# Allegro board HY_MWYT_3S12_V10A.brd (continued)
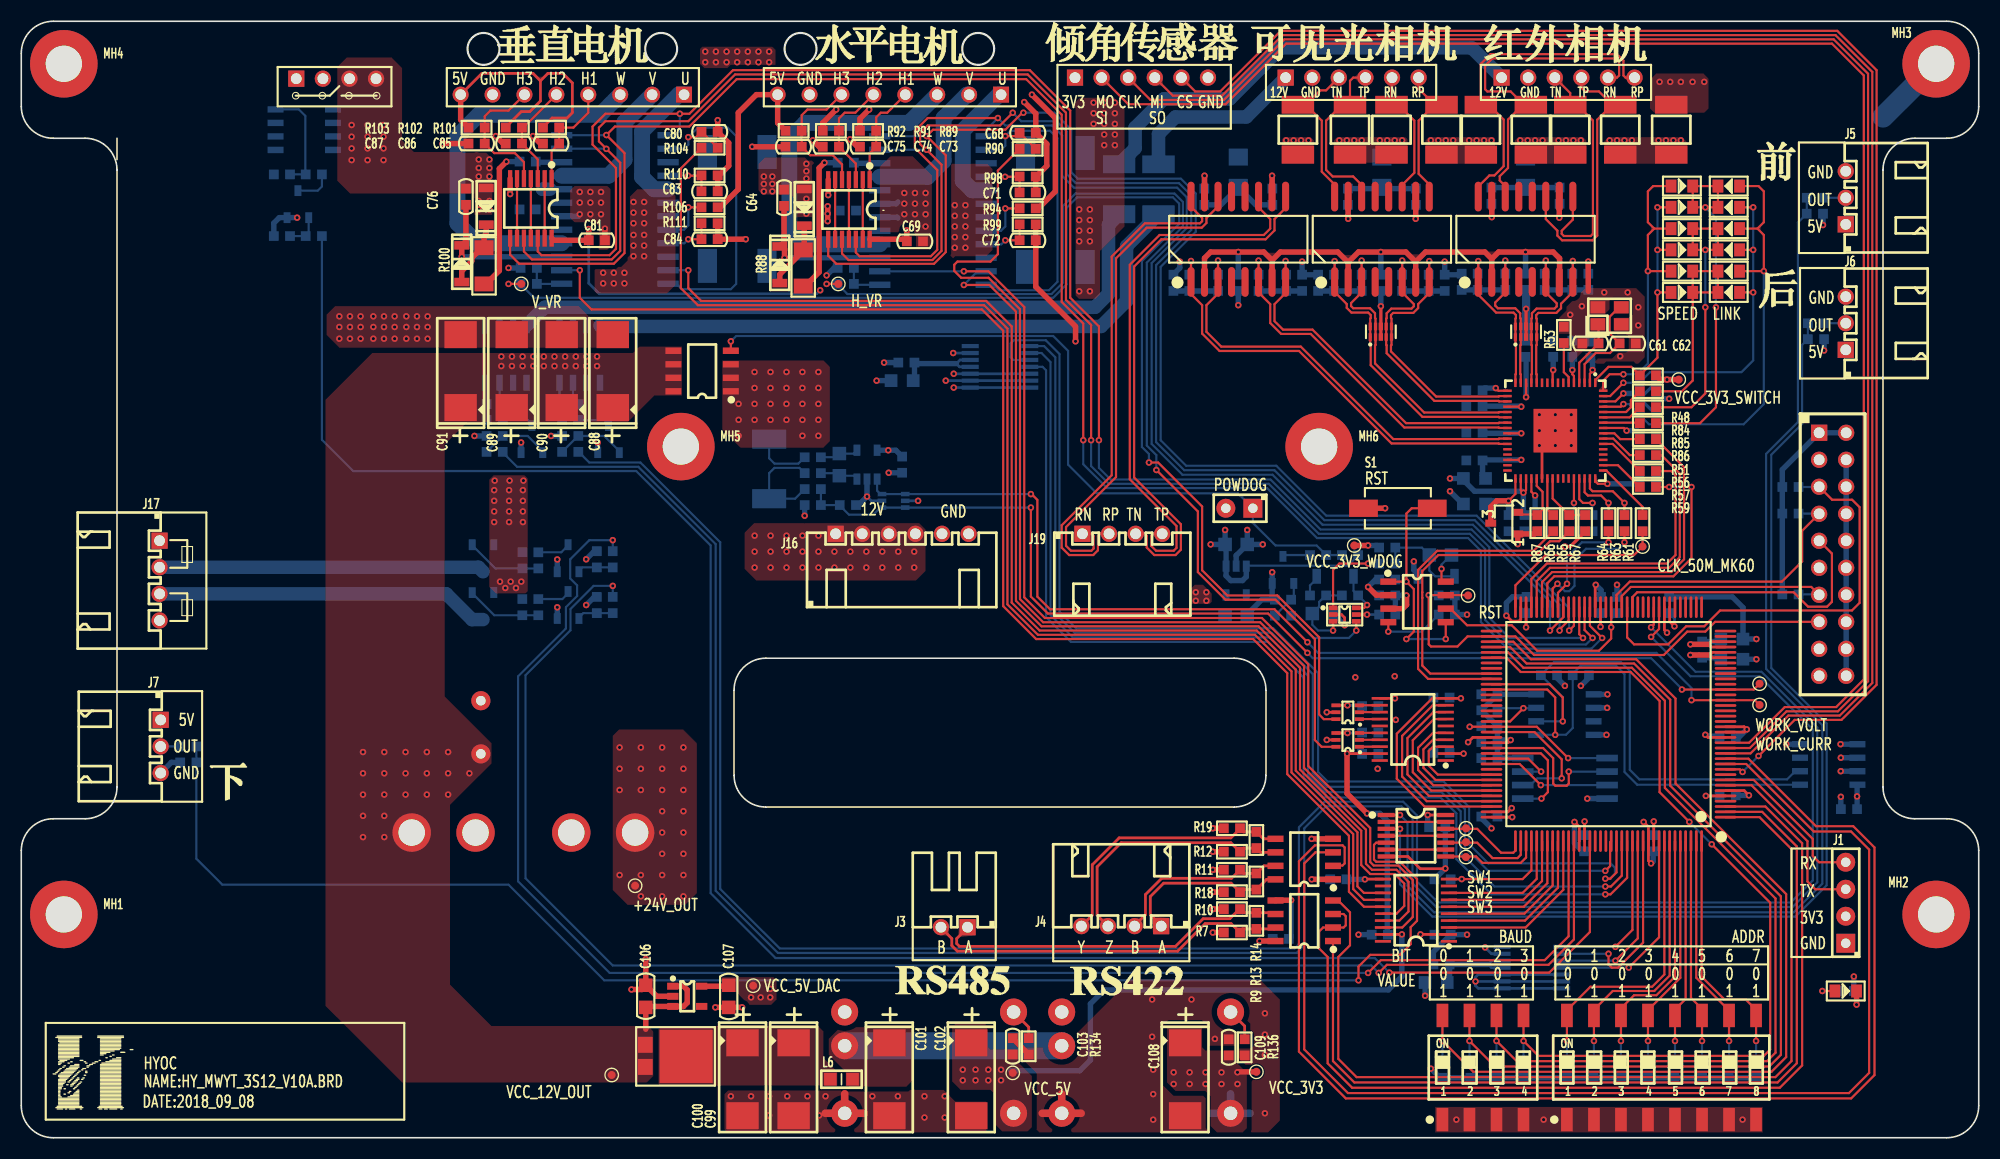
[diagram p0: board, top side]
## Copper pours and planes (outline as drawn; the poured copper is in the pictures) (continued)
VCC_24V_MOTOR on BOTTOM: 75.8,90.8 77.8,90.8 79.1,89.5 81.7,89.5 81.7,88.4 79.4,88.4 79.1,88.1 77.8,88.1 77.4,87.7 77.4,86.6 77.7,86.3 79,86.3 79.3,86 81.7,86 81.7,85 74.3,85 73.2,86.1 73.2,91.5 73.7,92 74.6,92
VCC_24V_MOTOR on BOTTOM: 28.4,97 28.4,92 28.9,91.5 35.5,91.5 35.8,91.8 35.8,100.6 34.9,101.5 30.3,101.5 29.6,100.8 29.6,98.2
VCC_24V_MOTOR on BOTTOM: 44.8,92 44.8,91.5 45.6,90.7 48.2,90.7 49.3,89.6 49.3,88.3 47.8,88.3 47.3,87.8 47.3,86.8 47.7,86.4 49.5,86.4 49.7,86.2 51.8,86.2 51.9,86.1 51.9,85.1 49.7,85.1 49.5,85.3 43.6,85.3 42.2,86.7 42.2,92 42.7,92.5 44.3,92.5
VCC_24V_MOTOR on L03-VCC: 30.7,95.7 36,95.7 38.3,93.4 74.9,93.4 76.7,91.6 76.7,82.7 72.8,78.8 32.3,78.8 30.1,81 30.1,95.1
E6071_AVDD_1.8V on L03-VCC: 139.9,63.3 139.9,71.9 140.9,72.9 146.4,72.9 146.7,72.6 146.7,71.7 146.3,71.3 142.5,71.3 142,70.8 142,63.4 141.4,62.8 140.4,62.8
E6071_CT_1.8V on L03-VCC: 114,83.9 142.2,83.9 142.7,83.4 142.7,76.1 141.8,75.2 139.5,75.2 137.5,73.2 137.5,61.9 137.1,61.5 134,61.5 133.5,62 133.5,72.9 140.3,79.7 140.3,82.5 140,82.8 114.1,82.8 113.8,83.1 113.8,83.7
E6071_VDD_CORE_1.2V on L03-VCC: 138.3,69.8 139.1,69.8 139.4,70.1 139.4,72.2 140.5,73.3 146.8,73.3 147.2,72.9 147.2,63.9 146.2,62.9 143.6,62.9 141.8,61.1 141.8,59.8 142,59.6 142.7,59.6 144.7,61.6 146.8,61.6 148.5,63.3 148.5,65.1 149.2,65.8 151.3,65.8 151.7,66.2 151.7,67.1 151.4,67.4 149.3,67.4 148.5,68.2 148.5,73.7 147.5,74.7 139.8,74.7 138,72.9 138,70.1
N11711860 on TOP: 77.5,4.8 83.2,4.8 83.8,5.4 83.8,10 83.4,10.4 77,10.4 75.9,9.3 75.9,7.8 77.5,6.2
N11711868 on TOP: 74.9,10.5 75.4,10 75.4,7.5 76.7,6.2 76.7,4.9 60.1,4.9 59.9,5.1 59.9,10.2 60.2,10.5
N17116110 on BOTTOM: 89.7,83.5 92.7,83.5 93.4,84.2 93.4,90.5 93,90.9 89.7,90.9 89.7,92.4 92.2,92.4 93.4,93.6 93.4,94.2 93.5,94.3 96.3,94.3 96.8,93.8 96.8,80.7 96.3,80.2 93.4,80.2 93.4,81.2 92.6,82 89.7,82
N17123303 on BOTTOM: 59.8,83.6 62.8,83.6 63.5,84.3 63.5,90.6 63.1,91 59.8,91 59.8,92.5 62.3,92.5 63.5,93.7 63.5,94.3 63.6,94.4 66.4,94.4 66.7,94.1 66.7,80.6 66.4,80.3 63.5,80.3 63.5,81.3 62.7,82.1 59.8,82.1
N17193783 on BOTTOM: 50.2,77.2 50.2,75.6 54.8,75.6 54.8,77.2
N17193809 on BOTTOM: 43.3,77.2 43.3,75.6 47.9,75.6 47.9,77.2

Small or netless copper shapes (teardrops, artwork), in the pictures only: 264 on TOP, 204 on BOTTOM

## Text on the board
User.Comments: CR_JY02A_1 | CR_L6235D_4
Ref Des/Silkscreen Top: 12V | GND | TN | TP | RN | RP | DATE:2018_09_08 | HYOC | NAME:HY_MWYT_3S12_V10A.BRD | OUT | 5V | VCC_12V_OUT | H3 | V_VR | H2 | H1 | W | +24V_OUT | V | U | VCC_5V_DAC | H_VR | B | A | VCC_5V | 3V3 | Y | MO | SI | Z | CLK | SO | MI | CS | POWDOG | VCC_3V3 | VCC_3V3_WDOG | RST | VALUE | BIT | 0 | 1 | SW1 | SW2 | SW3 | 2 | BAUD | 3 | SPEED | CLK_50M_MK60 | 4 | VCC_3V3_SWITCH | 5 | LINK | 6 | ADDR | 7 | WORK_VOLT | WORK_CURR | RX | TX
TOLERANCE_TOP: FIGURE | FINISHED_SIZE | 0.3048 | 0.889 | 0.9 | 1.0 | 1.016 | 1.27 | 2.4892 | 3.4036 | DRILL CHART: TOP to BOTTOM | ALL UNITS ARE IN MILLIMETERS | PLATED | QTY | 703 | 7 | 2 | 16 | 70 | 10 | 4 | 6 | 818 | TOTAL HOLES:
